# Altium PCB Mixed Signal Board Project.PcbDoc (part 3 of 3)
Units mm, origin at the board's own origin, x right, y up, seen from the top; angles counter-clockwise.
Board outline 70.23 x 70.1 mm, 4 copper layers (Top Layer, GND, VCC, Bottom Layer), stack 1.565 mm thick; 189 components, 143 nets, 740 pads, 392 vias.
Unrouted connection lines stored in the file: 6.
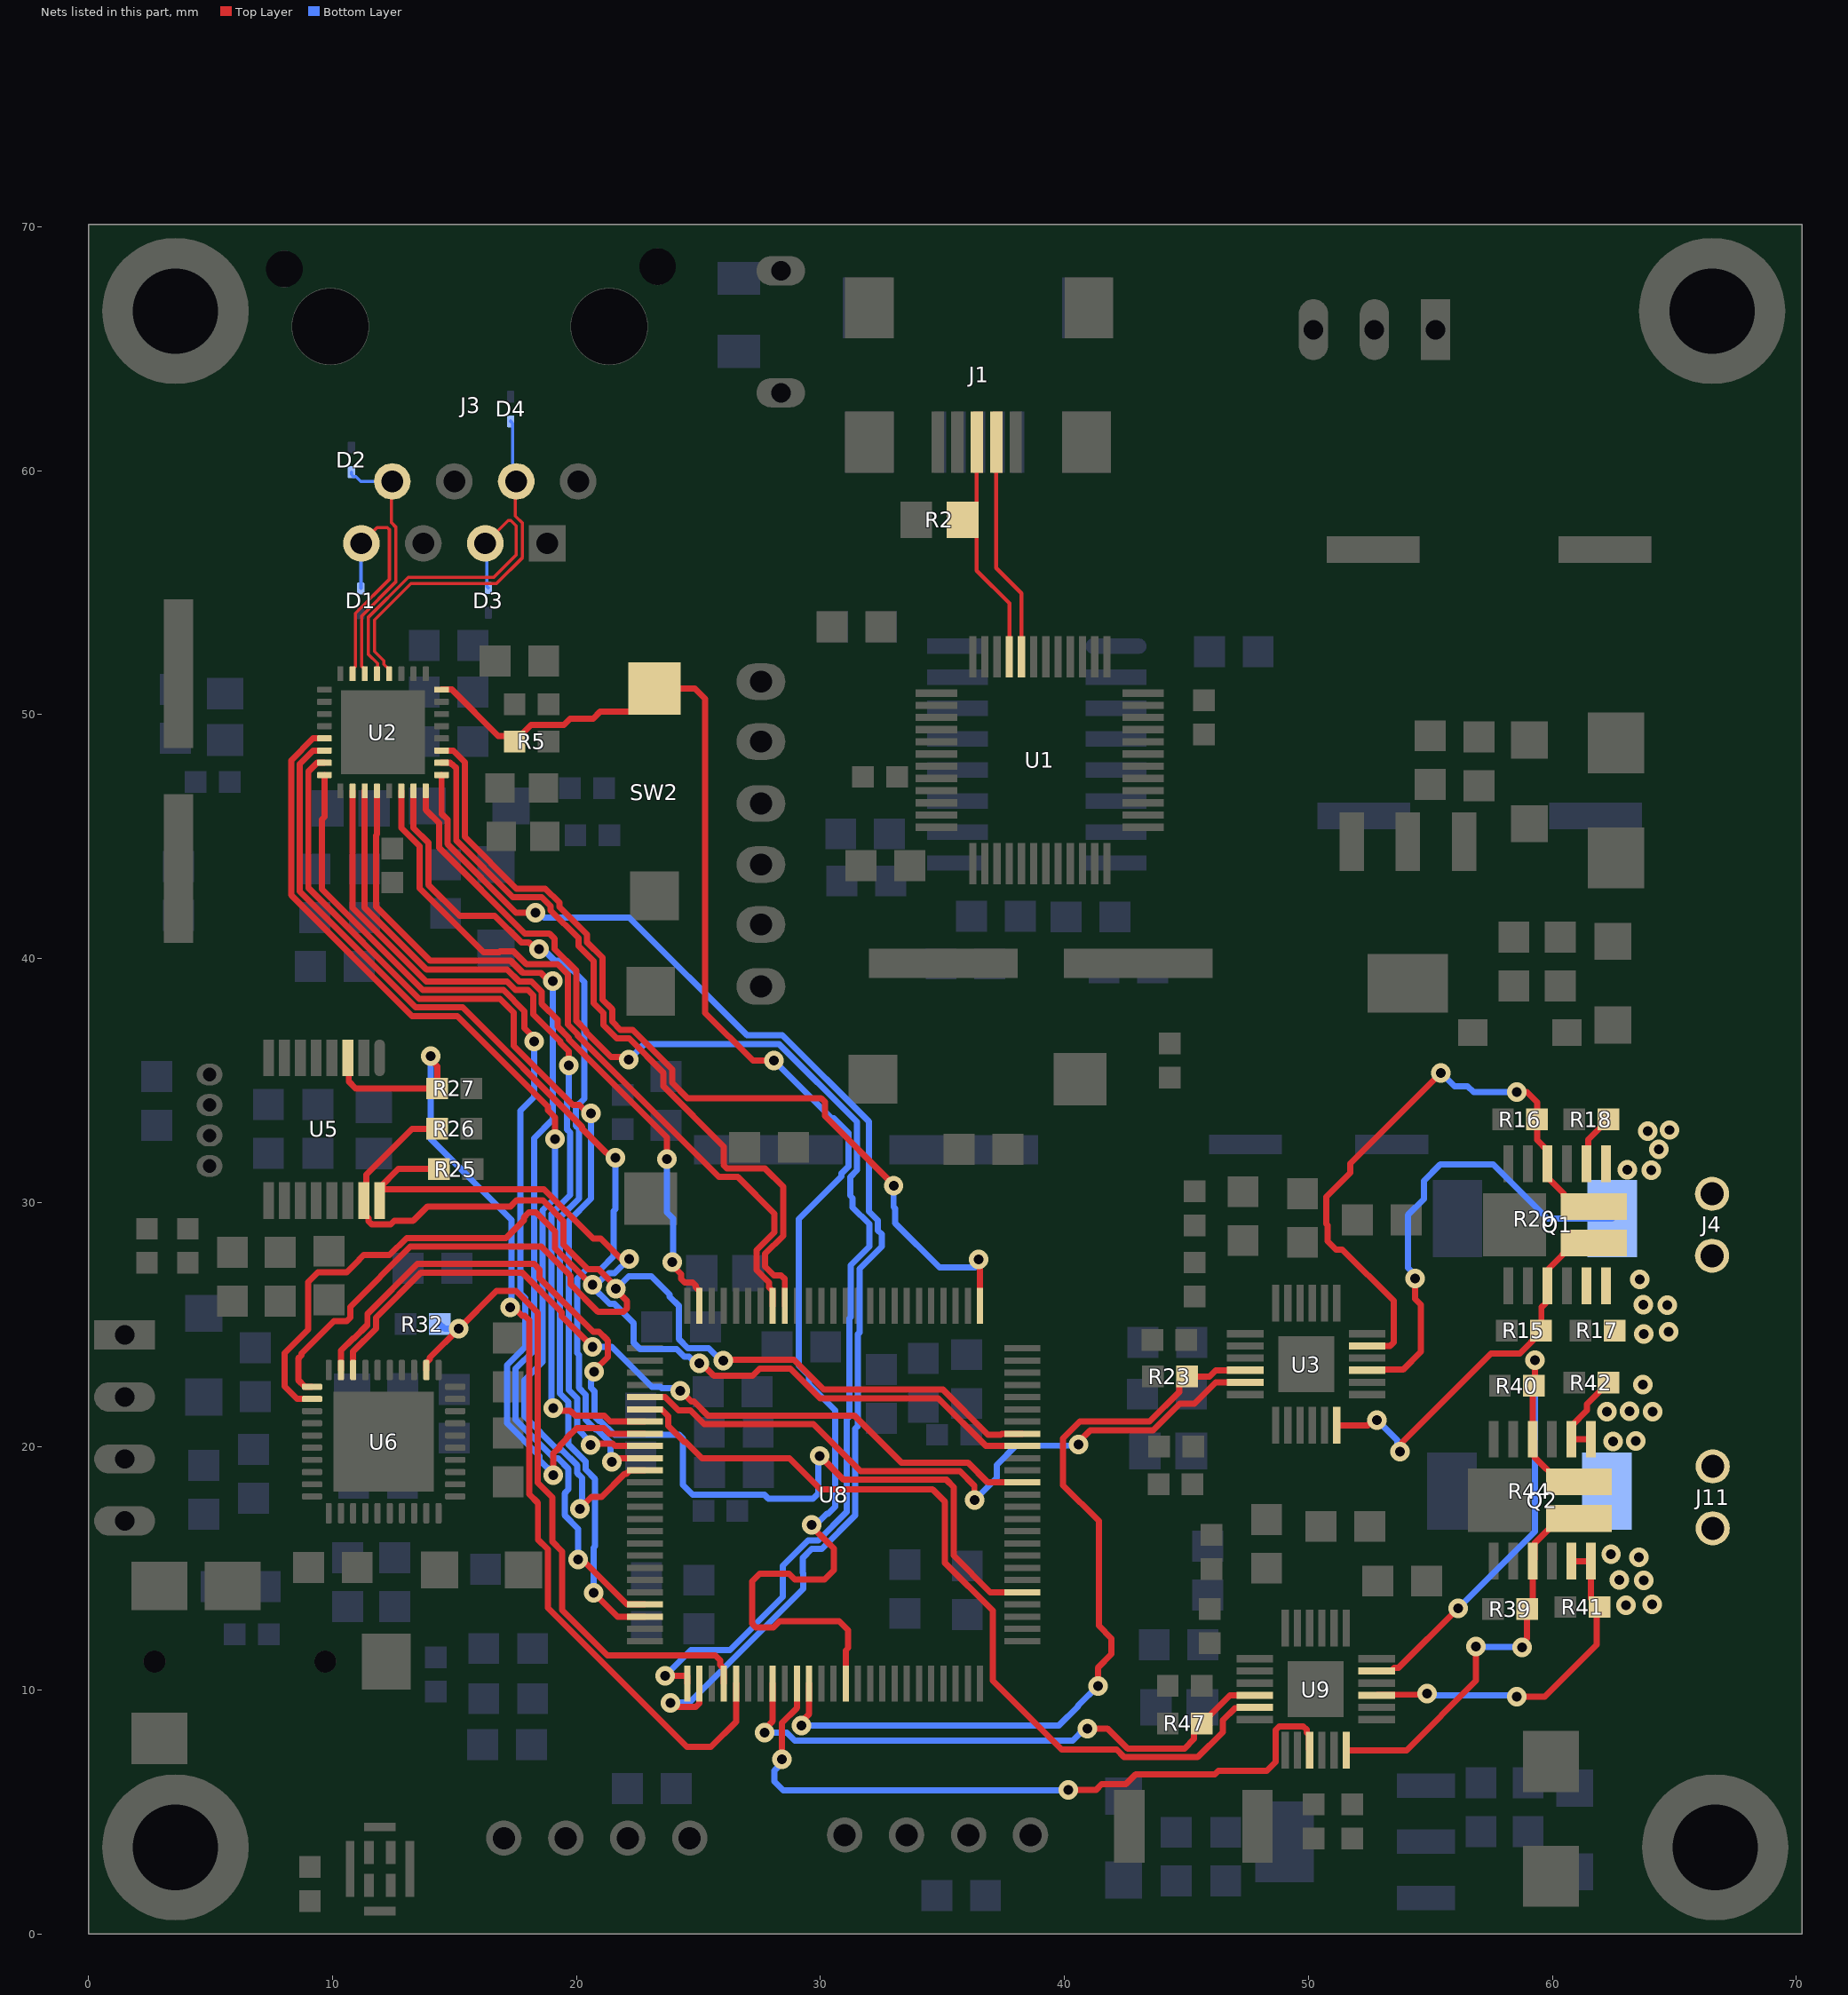
[diagram p5: the nets of this part, all layers, seen from the top]

## Via types
v1: diameter 0.8, hole 0.4, Top Layer to Bottom Layer, tented both sides, 339 vias
v2: diameter 1.27, hole 0.711, Top Layer to Bottom Layer, tented both sides, 40 vias
v3: diameter 0.45, hole 0.25, Top Layer to Bottom Layer, tented both sides, 13 vias

## Nets (pads, with @x,y where several pads share a name; then routed paths per layer and width w, separated by ;. In a path a pad name is that pad's centre, name@x,y a point inside that pad or via, vN(x,y) a via of type N, cw(c..) or ccw(c..) an arc to the next point about the centre after c; other vN are vias at no path point) (continued)
PH_2: U8.60 U9.15 | length 29.2
  Top Layer w0.254: v1(28.423,7.163) 28.423,8.659 29.035,9.271 U8.60@29.035,10.28 ; v1(40.157,5.918) 41.295,5.918 41.524,6.147 42.513,6.147 42.915,6.549 46.167,6.549 46.307,6.688 48.291,6.688 48.658,7.055 48.658,8.376 48.803,8.521 49.787,8.521 49.924,8.384 49.924,8.263 50.024,8.163 50.024,7.563 U9.15@50.047,7.54
  Bottom Layer w0.254: v1(28.423,7.163) 28.423,7.015 28.111,6.704 28.111,6.255 28.473,5.893 40.132,5.893 v1(40.157,5.918)
PHY_RESET: R5.1 SW2.2 U2.32 U8.64 | length 65.8
  Top Layer w0.254: U2.32@14.465,51.026 14.887,51.026 16.783,49.13 17.224,49.13 R5.1@17.459,48.895 18.136,49.572 19.473,49.572 19.734,49.833 20.674,49.833 20.963,50.122 22.242,50.122 SW2.2@23.19,51.07 24.85,51.07 25.273,50.648 25.273,37.77 27.229,35.814 v1(28.092,35.814) ; v1(29.642,16.772) 29.642,16.709 30.253,16.097 30.258,16.097 30.548,15.807 30.548,14.924 30.161,14.537 28.951,14.537 28.713,14.775 27.502,14.775 27.2,14.472 27.2,12.729 27.348,12.58 28.071,12.58 28.32,12.829 30.765,12.829 31.132,12.461 31.132,11.733 31.035,11.635 U8.64@31.035,10.28
  Bottom Layer w0.254: v1(28.092,35.814) 30.462,33.445 30.544,33.445 31.139,32.85 31.139,31.462 30.863,31.186 30.863,31.072 29.108,29.317 29.108,23.31 29.528,22.891 29.528,22.542 30.599,21.471 30.599,17.518 30.316,17.235 30.253,17.235 29.79,16.772 v1(29.642,16.772)
RD_N: D4.K J3.6 U2.4 | length 15.4
  Top Layer w0.132: U2.4@12.315,51.676 12.315,51.851 12.101,52.065 12.101,52.203 11.714,52.591 11.714,53.878 13.208,55.372 16.713,55.372 17.785,56.443 17.785,57.845 17.486,58.144 17.486,59.523 J3.6@17.526,59.563
  Bottom Layer w0.132: D4.K@17.297,62.027 17.382,61.943 17.382,59.707 J3.6@17.526,59.563
RD_P: D3.K J3.5 U2.5 | length 14.4
  Top Layer w0.132: U2.5@11.815,51.676 11.843,51.704 11.843,52.096 11.455,52.484 11.455,53.985 13.101,55.631 16.606,55.631 17.526,56.55 17.526,57.738 17.303,57.961 17.194,57.961 J3.5@16.256,57.023
  Bottom Layer w0.132: J3.5@16.256,57.023 16.319,56.959 16.319,55.255 D3.K@16.383,55.191
RESET: R27.1 U5.3 U8.55 | length 43
  Top Layer w0.254: U5.3@10.625,35.928 10.661,35.893 10.661,34.958 10.947,34.671 R27.1@14.288,34.671 14.288,35.577 14.021,35.844 v1(14.021,35.992) ; v1(17.276,25.697) 17.423,25.697 17.768,25.353 17.878,25.353 18.058,25.173 18.058,21.715 18.058,21.278 18.058,18.036 18.415,17.678 18.415,16.179 18.821,15.772 18.821,13.37 24.521,7.671 25.499,7.671 26.535,8.706 U8.55@26.535,10.28
  Bottom Layer w0.254: v1(14.021,35.992) 14.021,32.604 17.336,29.289 17.336,25.757 v1(17.276,25.697)
RESET_DAC: R32.1 U6.32 U8.54 | length 28.3
  Top Layer w0.254: U6.32@13.84,23.128 13.84,23.419 13.988,23.567 13.988,23.64 v1(15.164,24.816) 16.716,26.368 17.52,26.368 18.412,25.476 18.412,21.569 18.412,21.424 ; 18.412,21.424 18.412,18.5 18.999,17.913 18.999,16.095 19.414,15.681 19.414,13.278 21.262,11.43 25.679,11.43 25.889,11.221 25.889,11.036 26.035,10.89 U8.54@26.035,10.28
  Bottom Layer w0.254: R32.1@14.389,25.019 14.592,24.816 v1(15.164,24.816)
RX_CLK: U2.19 U8.24 | length 29.2
  Top Layer w0.254: U2.19@11.315,46.876 11.315,42.083 13.848,39.551 17.157,39.551 17.649,39.058 18.153,39.058 18.572,38.64 18.572,38.139 19.221,37.49 19.221,37.21 19.687,36.745 19.687,36.685 23.704,32.668 v1(23.704,31.781) ; v1(23.927,27.559) 23.927,27.411 24.282,27.056 24.282,26.869 24.431,26.72 24.756,26.72 24.889,26.587 24.889,26.512 25.035,26.366 U8.24@25.035,25.756
  Bottom Layer w0.254: v1(23.704,31.781) 23.704,29.592 23.952,29.344 23.952,27.584 v1(23.927,27.559)
RX_D0: U2.16 U8.33 | length 40.9
  Top Layer w0.254: U2.16@9.665,47.526 9.665,45.807 9.558,45.7 9.558,42.839 13.693,38.704 17.002,38.704 17.864,37.842 17.864,37.148 18.263,36.749 v1(18.263,36.601) ; v1(19.039,18.82) 19.05,18.831 19.05,19.709 19.294,19.954 19.294,20.009 19.593,20.308 19.593,20.338 20.007,20.752 21.114,20.752 21.348,20.518 U8.33@22.797,20.518
  Bottom Layer w0.254: v1(18.263,36.601) 18.263,34.328 17.69,33.755 17.69,26.287 17.903,26.074 17.903,24.08 17.148,23.325 17.148,20.941 18.482,19.607 18.482,19.437 19.039,18.88 v1(19.039,18.82)
RX_D1: U2.15 U8.34 | length 38.4
  Top Layer w0.254: U2.15@9.665,48.026 9.367,48.026 9.004,47.663 9.004,42.892 13.546,38.35 16.855,38.35 17.423,37.782 17.423,36.411 19.84,33.994 20.11,33.994 20.449,33.655 v1(20.596,33.655) ; v1(20.571,20.063) 20.625,20.117 21.482,20.117 21.581,20.018 U8.34@22.797,20.018
  Bottom Layer w0.254: v1(20.571,20.063) 20.571,20.171 20.02,20.722 20.02,21.971 19.673,22.318 19.673,29.237 20.596,30.16 v1(20.596,33.655)
RX_D2: U2.14 U8.35 | length 39.5
  Top Layer w0.254: U2.14@9.665,48.526 9.194,48.526 8.65,47.982 8.65,42.745 13.399,37.996 15.326,37.996 20.227,33.096 20.227,33.022 21.208,32.041 21.228,32.041 21.442,31.826 v1(21.59,31.826) ; v1(21.453,19.355) 21.601,19.355 21.763,19.518 U8.35@22.797,19.518
  Bottom Layer w0.254: v1(21.453,19.355) 21.384,19.424 21.384,20.136 20.83,20.69 20.77,20.69 20.374,21.086 20.374,22.117 20.096,22.395 20.096,23.747 20.027,23.816 20.027,26.884 20.41,27.267 20.989,27.267 21.522,27.8 21.522,29.653 21.59,29.721 v1(21.59,31.826)
RX_D3: U2.13 U8.36 | length 43
  Top Layer w0.254: U2.13@9.665,49.026 9.194,49.026 8.296,48.129 8.296,42.599 13.253,37.642 15.106,37.642 18.82,33.929 18.82,33.781 19.114,33.487 v1(19.114,32.602) ; v1(20.135,17.431) 20.135,17.463 20.604,17.932 21.026,17.932 21.965,18.872 22.037,18.872 22.04,18.872 22.186,19.018 U8.36@22.797,19.018
  Bottom Layer w0.254: v1(19.114,32.602) 19.114,30.18 18.611,29.677 18.611,23.461 17.856,22.706 17.856,21.234 19.229,19.861 19.385,19.861 20.02,19.226 20.02,18.9 20.218,18.702 20.218,17.515 v1(20.135,17.431)
RX_DV: U2.18 U8.32 | length 35.6
  Top Layer w0.254: U2.18@10.815,46.876 10.815,42.083 13.839,39.058 17.149,39.058 17.503,38.704 18.007,38.704 18.218,38.493 18.218,37.713 19.333,36.598 19.333,36.538 19.674,36.197 19.674,35.621 v1(19.685,35.611) ; v1(19.039,21.564) 19.143,21.46 19.742,21.46 19.947,21.256 21.136,21.256 21.374,21.018 U8.32@22.797,21.018
  Bottom Layer w0.254: v1(19.039,21.564) 18.965,21.638 18.965,29.53 19.741,30.307 19.741,32.862 19.615,32.988 19.615,34.174 19.685,34.244 v1(19.685,35.611)
RX_ER: U2.20 U8.47 | length 42.4
  Top Layer w0.254: U2.20@11.815,46.876 11.815,45.092 11.775,45.052 11.775,42.124 13.994,39.905 17.304,39.905 17.796,39.412 18.538,39.412 18.869,39.082 v1(19.016,39.082) ; v1(20.066,15.367) 20.17,15.263 20.321,15.263 22.066,13.518 U8.47@22.797,13.518
  Bottom Layer w0.254: v1(19.016,39.082) 19.016,33.39 18.257,32.631 18.257,23.933 17.502,23.179 17.502,21.087 19.082,19.507 19.238,19.507 19.666,19.08 19.666,18.235 19.508,18.077 19.508,17.172 20.066,16.614 v1(20.066,15.367)
SCL: R25.1 U5.16 U6.2 U8.92 | length 58.4
  Top Layer w0.254: U6.2@9.155,21.943 8.537,21.943 8.026,22.454 8.026,23.825 8.993,24.792 8.993,26.729 9.402,27.138 10.584,27.138 11.094,27.648 11.094,27.658 11.274,27.838 12.333,27.838 13.036,28.542 17.104,28.542 17.836,29.273 17.836,29.382 18.043,29.589 18.336,29.589 19.112,28.813 19.112,28.124 20.612,26.624 v1(20.654,26.624) ; U5.16@11.925,30.078 U5.16@11.925,30.407 ; R25.1@14.351,31.369 12.691,31.369 11.925,30.603 U5.16@11.925,30.407 ; v1(22.149,27.686) 22.126,27.663 21.847,27.663 20.989,28.521 20.679,28.521 18.66,30.54 12.023,30.54 11.925,30.442 U5.16@11.925,30.407 ; v1(25.029,23.403) 25.114,23.403 25.624,22.893 27.217,22.893 27.514,23.19 28.76,23.19 29.978,21.973 34.824,21.973 36.779,20.018 U8.92@38.273,20.018
  Bottom Layer w0.254: v1(22.149,27.686) 21.56,27.097 21.319,27.097 21.135,26.913 21.09,26.913 20.801,26.624 v1(20.654,26.624) 20.654,26.54 21.35,25.843 21.547,25.843 22.345,25.044 22.345,24.238 22.6,23.983 24.099,23.983 24.407,23.676 24.608,23.676 24.881,23.403 v1(25.029,23.403)
SCLK: U6.38 U8.89 | length 33.5
  Top Layer w0.254: U6.38@10.84,23.128 10.842,23.13 10.842,23.895 11.779,24.831 11.779,25.282 13.622,27.126 17.764,27.126 19.392,25.497 19.392,25.337 v1(20.654,24.076) ; v1(24.252,22.283) 24.702,21.833 24.81,21.833 25.378,21.265 31.387,21.265 33.317,19.335 36.037,19.335 36.854,18.518 U8.89@38.273,18.518
  Bottom Layer w0.254: v1(20.654,24.076) 21.439,24.076 23.078,22.436 23.443,22.436 23.492,22.388 24.147,22.388 v1(24.252,22.283)
SDA: R26.1 U5.15 U6.1 U8.93 | length 58.5
  Top Layer w0.254: U6.1@9.155,22.443 8.864,22.443 8.586,22.721 8.586,23.596 8.72,23.729 8.72,23.808 10.051,25.138 10.584,25.138 10.717,25.271 10.717,25.722 13.183,28.188 18.548,28.188 19.749,26.987 19.749,26.642 20.873,25.518 21.924,25.518 22.073,25.667 22.073,25.947 v1@21.565,26.455 ; R26.1@14.288,33.02 13.259,33.02 11.373,31.134 11.373,30.176 U5.15@11.275,30.078 11.275,29.553 11.473,29.355 11.473,29.234 11.606,29.101 12.379,29.101 12.527,29.25 13.299,29.25 13.887,29.837 17.289,29.837 17.533,30.081 18.619,30.081 19.466,29.233 19.466,28.27 20.469,27.267 20.897,27.267 21.614,26.551 v1(21.614,26.47) ; v1(26.01,23.52) 26.033,23.544 28.907,23.544 30.124,22.327 35.016,22.327 36.867,20.475 37.386,20.475 37.428,20.518 U8.93@38.273,20.518
  Bottom Layer w0.254: v1(21.614,26.47) 21.639,26.47 22.144,26.975 23.063,26.975 23.817,26.221 23.817,26.137 24.185,25.768 24.185,24.398 24.553,24.03 25.415,24.03 25.924,23.52 v1(26.01,23.52)
SDIN: U6.39 U8.80 | length 44
  Top Layer w0.254: U6.39@10.34,23.128 10.34,23.929 10.842,24.43 10.877,24.43 11.425,24.978 11.425,25.429 13.476,27.48 18.255,27.48 18.483,27.251 18.483,26.906 20.687,24.703 20.913,24.703 21.235,24.381 21.281,24.336 21.281,23.664 20.723,23.106 v1(20.723,23.061) ; v1(29.972,19.609) 30.954,18.627 35.162,18.627 35.458,18.33 35.458,15.519 36.96,14.018 U8.80@38.273,14.018
  Bottom Layer w0.254: v1(20.723,23.061) 20.618,22.956 20.618,22.706 20.586,22.673 20.586,22.406 20.728,22.264 20.728,21.233 20.917,21.044 20.977,21.044 21.548,20.472 24.21,20.472 24.359,20.324 24.359,18.424 24.763,18.02 27.698,18.02 27.862,17.856 29.696,17.856 29.91,18.07 29.91,19.547 v1(29.972,19.609)
SH1: J4.1 Q1.3 Q1.13 R15.1 U3.18 | length 16.4
  Top Layer w0.254: U3.18@51.161,20.864 52.441,20.864 52.659,21.082 v1(52.807,21.082) ; v1(53.746,19.787) 53.851,19.891 53.851,20.17 57.48,23.8 58.661,23.8 59.55,24.689 59.55,25.694 59.725,25.869 59.725,26.51 Q1.3@59.798,26.583 ; Q1.3@59.871,26.583 59.871,27.306 60.898,28.333 Q1.13@61.698,28.333
  Bottom Layer w0.254: v1(52.807,21.082) 53.642,20.247 53.642,19.891 v1(53.746,19.787)
SH1_2: J11.1 Q2.3 Q2.13 R39.1 U9.18 | length 16.5
  Top Layer w0.254: U9.18@51.547,7.54 54.02,7.54 56.871,10.391 v1(56.871,11.786) ; v1(58.75,11.76) 58.75,11.908 58.966,12.124 R39.1@58.966,13.335 59.187,13.556 Q2.3@59.187,15.292 59.26,15.365 59.26,16.015 60.287,17.042 Q2.13@61.087,17.042
  Bottom Layer w0.254: v1(56.871,11.786) 56.883,11.773 58.737,11.773 v1(58.75,11.76)
SH2: J4.2 Q1.10 Q1.14 R16.1 U3.23 | length 25.6
  Top Layer w0.254: U3.23@52.411,24.118 53.344,24.118 53.492,24.267 53.492,25.966 51.388,28.07 51.134,28.07 50.794,28.41 50.794,29.064 50.739,29.119 50.739,30.234 51.711,31.206 51.711,31.592 v1(55.424,35.305) ; v1(58.547,34.519) 58.953,34.519 59.372,34.1 R16.1@59.372,33.401 59.372,32.559 59.798,32.133 Q1.10@59.798,31.583 59.798,31.033 60.475,30.356 60.475,30.256 60.898,29.833 Q1.14@61.698,29.833
  Bottom Layer w0.254: v1(55.424,35.305) 55.449,35.305 55.989,34.765 56.52,34.765 56.767,34.519 v1(58.547,34.519)
SH2_2: J11.2 Q2.10 Q2.14 R40.1 U9.23 | length 22.2
  Top Layer w0.254: U9.23@52.797,10.794 53.397,10.794 53.52,10.917 53.69,10.917 v1(56.134,13.36) ; v1(59.284,23.535) 59.284,22.517 59.187,22.421 Q2.10@59.187,20.292 59.26,20.219 59.26,19.569 60.287,18.542 Q2.14@61.087,18.542
  Bottom Layer w0.254: v1(56.134,13.36) 59.284,16.51 v1(59.284,23.535)
SNSOUT: R23.1 U3.10 U8.61 | length 34.7
  Top Layer w0.254: v1(29.21,8.56) 29.21,8.708 29.535,9.032 U8.61@29.535,10.28 ; v1(41.368,10.177) 41.368,10.916 41.927,11.475 41.927,12.127 41.408,12.646 41.408,16.936 39.945,18.399 39.945,19.003 39.945,19.81 39.945,20.33 40.631,21.015 43.49,21.015 44.704,22.229 44.704,22.543 R23.1@45.021,22.86 45.946,22.86 46.204,23.118 U3.10@47.411,23.118
  Bottom Layer w0.254: v1(29.21,8.56) 39.774,8.56 40.556,9.341 40.556,9.365 v1(41.368,10.177)
SNSOUT_2: R47.1 U8.58 U9.10 | length 24
  Top Layer w0.254: v1(27.711,8.255) 27.711,8.403 28.035,8.726 U8.58@28.035,10.28 ; v1(40.945,8.433) 41.765,8.433 42.587,7.611 44.919,7.611 45.314,8.005 45.314,8.319 46.778,9.783 U9.10@47.792,9.783
  Bottom Layer w0.254: v1(27.711,8.255) 27.72,8.264 28.619,8.264 28.95,7.933 40.34,7.933 40.84,8.433 v1(40.945,8.433)
SO: U3.11 U8.30 | length 29.1
  Top Layer w0.254: U8.30@22.797,22.018 23.631,22.018 24.17,21.479 24.663,21.479 25.232,20.911 29.716,20.911 31.645,18.981 35.713,18.981 36.307,18.387 36.307,17.82 v1(36.322,17.805) ; v1(40.572,20.07) 40.572,20.176 41.057,20.661 43.637,20.661 44.718,21.742 45.329,21.742 46.205,22.618 U3.11@47.411,22.618
  Bottom Layer w0.254: v1(36.322,17.805) 37.219,18.702 37.219,19.235 38.011,20.027 40.53,20.027 v1(40.572,20.07)
SO_2: U8.31 U9.11 | length 35.4
  Top Layer w0.254: U8.31@22.797,21.518 23.482,21.518 23.761,21.239 23.761,20.832 24.408,20.185 24.466,20.185 25.144,19.507 28.727,19.507 29.997,18.237 34.595,18.237 35.104,17.728 35.104,15.219 37.059,13.265 37.059,10.391 39.888,7.561 42.136,7.561 42.441,7.257 45.462,7.257 46.49,8.285 46.49,8.767 46.994,9.271 47.774,9.271 U9.11@47.797,9.294
SP: Q1.5 Q1.6 Q1.7 Q1.8 R17.1 R18.1 R20.2 U3.21 | length 21.1
  Top Layer w0.254: U3.21@52.411,23.118 52.434,23.141 53.875,23.141 54.61,23.876 54.61,25.806 54.378,26.038 v1(54.378,26.874) ; Q1.8@61.398,31.583 61.471,31.656 61.471,32.579 R18.1@62.293,33.401
  Bottom Layer w0.254: v1(54.378,26.874) 54.378,27.022 54.077,27.323 54.077,29.492 54.729,30.144 54.729,30.882 55.402,31.555 57.574,31.555 59.792,29.337 R20.2@62.459,29.337
  other v1: 63.754,24.613 64.77,24.689 64.719,25.781 63.729,25.806 63.576,26.848 64.059,31.318 63.068,31.344 64.364,32.182 63.906,32.918 64.795,32.969
SP_2: Q2.5 Q2.6 Q2.7 Q2.8 R41.1 R42.1 R44.2 U9.21 | length 18.1
  Top Layer w0.254: U9.21@52.797,9.794 52.82,9.817 54.826,9.817 v1(54.864,9.855) ; v1(58.547,9.728) 59.688,9.728 61.824,11.864 61.824,13.297 R41.1@61.938,13.411 61.587,13.762 Q2.6@61.587,15.292 Q2.5@60.787,15.292 ; Q2.7@61.587,20.292 Q2.8@60.787,20.292 60.787,20.842 61.418,21.473 61.418,21.731 R42.1@62.293,22.606
  Bottom Layer w0.254: v1(54.864,9.855) 54.927,9.792 58.483,9.792 v1(58.547,9.728)
  other v1: 63.017,13.487 64.084,13.513 63.754,14.503 62.738,14.529 63.551,15.443 62.408,15.57 62.484,20.193 63.424,20.218 62.23,21.412 64.11,21.412 63.17,21.438 63.703,22.53
TD_N: D2.K J3.2 U2.6 | length 10.5
  Top Layer w0.132: U2.6@11.315,51.676 11.315,51.851 11.194,51.972 11.194,54.051 12.584,55.441 12.584,57.697 12.406,57.875 12.406,59.523 J3.2@12.446,59.563
  Bottom Layer w0.132: D2.K@10.77,59.944 10.77,59.849 10.854,59.765 10.949,59.765 11.151,59.563 J3.2@12.446,59.563
TD_P: D1.K J3.1 U2.7 | length 9.9
  Top Layer w0.132: U2.7@10.815,51.676 10.815,51.851 10.936,51.972 10.936,54.158 12.325,55.548 12.325,57.59 12.248,57.667 11.82,57.667 J3.1@11.176,57.023
  Bottom Layer w0.132: D1.K@11.151,55.169 11.163,55.181 11.163,57.01 J3.1@11.176,57.023
TX_CLK: U2.22 U8.18 | length 30
  Top Layer w0.254: U2.22@12.815,46.876 12.815,45.354 13.566,44.604 13.566,42.883 16.191,40.259 16.832,40.259 16.867,40.294 17.415,40.294 17.943,39.766 19.219,39.766 19.643,39.342 19.643,37.289 20.041,36.891 20.041,36.832 25.83,31.042 26.606,31.042 28.111,29.536 28.111,28.78 27.373,28.042 27.373,27.229 27.889,26.714 27.889,26.512 28.035,26.366 U8.18@28.035,25.756
TX_D0: U2.24 U8.51 | length 55.2
  Top Layer w0.254: U2.24@13.815,46.876 13.815,46.093 14.357,45.551 14.357,44.545 17.881,41.021 18.887,41.021 19.094,40.814 19.094,40.391 19.997,39.488 19.997,37.435 20.395,37.038 20.395,36.978 21.416,35.957 22.032,35.957 v1(22.136,35.852) ; v1(23.622,10.592) 24.535,10.592 U8.51@24.535,10.28
  Bottom Layer w0.254: v1@22.254,35.97 22.766,36.482 28.311,36.482 31.493,33.3 31.493,31.316 31.217,31.04 31.217,30.277 31.318,30.175 31.318,29.792 31.996,29.114 31.996,28.186 31.242,27.432 31.242,25.298 31.183,25.24 31.183,21.228 31.072,21.116 31.072,17.315 29.902,16.145 29.489,16.145 28.454,15.109 28.454,13.823 26.281,11.651 24.681,11.651 v1(23.622,10.592)
TX_D1: U2.25 U8.52 | length 55.4
  Top Layer w0.254: U2.25@14.465,47.526 14.465,45.944 14.711,45.697 14.711,44.692 17.518,41.885 v1(18.313,41.885) ; v1(23.851,9.474) 23.998,9.474 24.157,9.315 24.886,9.315 25.035,9.464 U8.52@25.035,10.28
  Bottom Layer w0.254: v1(18.313,41.885) 18.461,41.885 18.661,41.685 22.158,41.685 26.987,36.855 28.438,36.855 31.979,33.315 31.979,29.632 32.35,29.261 32.35,28.853 32.508,28.695 32.508,28.198 31.596,27.285 31.596,24.66 31.537,24.601 31.537,20.835 31.426,20.724 31.426,17.169 30.048,15.791 29.636,15.791 29.269,15.424 29.269,14.814 29.294,14.789 29.294,14.163 24.632,9.501 23.877,9.501 v1(23.851,9.474)
TX_D2: U2.26 U8.17 | length 31
  Top Layer w0.254: U2.26@14.465,48.026 14.814,48.026 14.884,47.955 14.917,47.955 15.065,47.806 15.065,44.838 17.392,42.512 18.573,42.512 18.94,42.144 18.94,41.969 20.075,40.834 20.075,40.521 20.705,39.891 20.705,38.17 21.103,37.772 21.103,37.272 21.651,36.724 22.151,36.724 23.565,35.31 23.565,34.755 26.027,32.293 26.027,31.529 26.16,31.396 27.717,31.396 28.465,30.647 28.465,28.633 27.727,27.895 27.727,27.375 28.095,27.008 28.386,27.008 28.535,26.859 U8.17@28.535,25.756
TX_D3: U2.27 U8.1 | length 37.7
  Top Layer w0.254: U2.27@14.638,48.524 14.951,48.524 15.419,48.055 15.419,44.985 17.539,42.866 18.72,42.866 19.294,42.291 19.294,42.115 20.429,40.98 20.429,40.668 21.059,40.038 21.059,38.316 21.457,37.919 21.457,37.418 21.797,37.078 22.298,37.078 23.919,35.457 23.919,34.902 24.548,34.273 30.026,34.273 30.175,34.124 30.175,33.538 32.995,30.719 v1(32.995,30.683) ; v1(36.474,27.661) 36.535,27.6 U8.1@36.535,25.756
  Bottom Layer w0.254: v1(32.995,30.683) 32.995,29.82 33.058,29.757 33.058,29.147 34.874,27.33 36.326,27.33 36.326,27.364 36.474,27.513 v1(36.474,27.661)
TX_EN: U2.23 U8.48 | length 40.8
  Top Layer w0.254: U2.23@13.315,46.876 13.315,45.355 13.92,44.75 13.92,43.03 15.196,41.754 16.648,41.754 17.735,40.667 18.047,40.667 18.32,40.394 v1(18.467,40.394) ; v1(20.701,13.995) 21.679,13.018 U8.48@22.797,13.018
  Bottom Layer w0.254: v1(18.467,40.394) 18.615,40.394 19.088,39.921 19.433,39.921 20.312,39.043 20.312,34.257 19.969,33.915 19.969,33.134 20.095,33.008 20.095,30.16 19.319,29.383 19.319,22.171 19.666,21.824 19.666,20.081 20.374,19.373 20.374,19.047 20.762,18.659 20.762,17.381 20.76,17.379 20.76,15.9 20.701,15.841 v1(20.701,13.995)
USBD_N: J1.2 U1.32 | length 9.2
  Top Layer w0.166: J1.2@37.204,61.175 37.204,56.014 38.239,54.979 U1.32@38.239,52.371
USBD_P: J1.3 R2.1 U1.33 | length 10
  Top Layer w0.166: R2.1@35.824,57.988 35.951,57.861 36.404,57.861 J1.3@36.404,61.175 ; R2.1@36.398,57.861 36.398,55.905 37.739,54.565 U1.33@37.739,52.371
pads on no net: J1.1 J1.4 J3. J3.3 J3.4 J3.7 J3.8 J5.1 J5.4 J8. J8.4 J13. MH3.1 MH4.1 U1.2 U1.3 U1.4 U1.10 U1.11 U1.12 U1.13 U1.14 U1.15 U1.16 U1.17 U1.19 U1.21 U1.22 U1.28 U1.29 U1.30 U1.31 U1.41 U1.42 U1.43 U1.45 U1.46 U2.30 U2.31 U4.7 U4.8 U4.9 U4.10 U4.11 U4.12 U4.13 U4.15 U5.6 U5.7 U5.8 U5.9 U6.20 U6.21 U6.22 U6.23 U6.24 U6.25 U6.26 U6.29 U6.30 U6.35 U6.36 U8.2 U8.3 U8.4 U8.5 U8.7 U8.8 U8.9 U8.15 U8.38 U8.39 U8.40 U8.41 U8.42 U8.43 U8.44 U8.46 U8.67 U8.77 U8.81 U8.82 U8.83 U8.84 U8.85 U8.86 U8.87 U8.88 U8.91 U8.95 U8.96 U8.97 U8.98
copper on no net: | length 25
  Top Layer w0.254: 42.494,32.969 47.015,32.969 48.539,34.493 48.539,46.812 46.969,48.383 43.227,48.383

## Polygon pours and split planes (outlines as drawn)
EARTH on Bottom Layer "EARTH_L04_P073" (solid, pour order 73): 0,62.586 -0.051,62.636 -0.051,70.079 70.18,70.079 70.231,70.129 70.256,70.104 70.256,62.636 64.389,62.636 59.868,67.158 14.63,67.158 9.995,62.522
+3V3 on Bottom Layer "+3V3_L04_P072" (solid, pour order 72): 17.424,10.287 17.45,10.262 17.45,5.207 20.726,5.207 21.158,4.775 21.158,3.251 21.539,2.87 22.987,2.87 23.19,3.073 23.089,3.175 23.089,6.782 21.488,6.782 20.904,7.366 20.904,10.287
GND on Bottom Layer "GND_L04_P071" (solid, pour order 71): 61.722,5.359 53.238,5.359 53.238,6.604 53.315,6.68 55.296,6.68 55.296,7.722 56.134,8.56 58.522,8.56 58.522,6.96 61.722,6.96
+1V8 on Bottom Layer "+1V8_L04_P069" (solid, pour order 69): 50.471,2.946 56.159,2.946 56.159,5.105 47.803,5.105 47.803,2.946 38.811,2.946 38.583,2.718 38.583,0.635 50.471,0.635
NetC84_1 on Bottom Layer "NETC84_1_L04_P067" (solid, pour order 67): 56.388,4.775 62.052,4.775 62.128,4.851 62.23,4.75 62.23,0.94 53.619,0.94 53.569,0.889 53.543,0.914 53.543,2.007 56.261,2.007 56.388,2.134
GND on Bottom Layer "GND_L04_P065" (solid, pour order 65): 54.839,16.535 56.82,16.535 56.82,19.736 57.175,20.091 57.175,21.717 55.651,21.717 54.839,20.904 54.839,20.345
SP_2 on Bottom Layer "SP_2_L04_P061" (solid, pour order 61): 61.265,21.184 61.265,16.078 62.459,14.884 62.459,13.259 62.662,13.056 64.516,13.056 64.516,23.165 63.457,23.165
+1V8 on Bottom Layer "+1V8_L04_P058" (solid, pour order 58): 10.008,22.987 10.008,21.641 15.723,21.641 15.672,21.692 15.672,22.987
+3V3 on Bottom Layer "+3V3_L04_P057" (solid, pour order 57): 12.319,27.864 13.818,27.864 13.818,26.854 14.478,26.403 14.478,25.857 14.249,25.629 13.665,25.629 13.665,24.536 13.538,24.409 12.319,24.409
GND on Bottom Layer "GND_L04_P056" (solid, pour order 56): 12.012,21.435 12.065,21.488 15.748,21.488 15.748,18.186 15.138,17.577 12.04,17.577
GND on Bottom Layer "GND_L04_P054" (solid, pour order 54): 14.097,13.843 15.342,13.843 15.443,13.945 15.443,15.85 18.593,15.85 18.593,12.903 14.173,12.903 14.122,12.954
+3V3 on Bottom Layer "+3V3_L04_P050" (solid, pour order 50): 3.886,23.165 7.518,23.165 7.518,21.209 7.391,21.082 5.537,21.082 5.537,18.491 5.512,18.466 3.886,18.466
NetC33_2 on Bottom Layer "NETC33_2_L04_P049" (solid, pour order 49): 9.728,21.336 9.728,14.478 13.31,14.478 13.411,14.58 13.411,16.332 11.913,16.332 11.608,16.637 11.633,16.662 11.633,21.336
+3V3 on Bottom Layer "+3V3_L04_P048" (solid, pour order 48): 9.713,29.235 9.739,29.261 9.739,30.861 9.282,31.318 8.723,31.318 8.723,32.715 8.748,32.741 12.533,32.741 12.533,31.318 12.507,31.293 10.755,31.293 10.323,30.861 10.323,29.235
SP on Bottom Layer "SP_L04_P045" (solid, pour order 45): 65.227,33.426 65.202,33.401 63.602,33.401 63.602,33.096 61.417,30.912 61.417,27.381 63.576,25.222 63.576,24.105 65.202,24.105 65.227,24.079
GND on Bottom Layer "GND_L04_P039" (solid, pour order 39): 52.883,40.818 50.343,40.818 50.394,40.869 50.394,46.482 54.178,46.482 54.254,46.406 54.254,45.263 52.934,45.263 52.883,45.314
+12V on Bottom Layer "+12V_L04_P035" (solid, pour order 35): 60.655,46.736 60.655,42.824 66.904,42.824 66.904,45.72 66.904,46.736
GND on Bottom Layer "GND_L04_P032" (solid, pour order 32): 50.292,57.861 55.347,57.861 55.372,57.887 55.524,57.734 55.524,53.238 50.292,53.238 50.267,53.213
+12V on Bottom Layer "+12V_L04_P030" (solid, pour order 30): 58.826,60.985 58.826,55.931 65.075,55.931 65.075,60.985
+3V3 on Bottom Layer "+3V3_L04_P008" (solid, pour order 8): 37.363,40.945 37.465,40.843 40.716,40.843 40.716,46.304 37.389,46.304 37.389,40.945
GND on Bottom Layer "GND_L04_P028" (solid, pour order 28): 29.642,45.923 31.953,45.923 32.004,45.872 32.004,41.097 29.794,41.097 29.642,41.097
GND on Bottom Layer "GND_L04_P026" (solid, pour order 26): 45.809,63.144 45.783,63.119 39.713,63.119 39.713,59.284 45.833,59.284
GND on Bottom Layer "GND_L04_P025" (solid, pour order 25): 45.506,68.163 45.466,68.123 39.407,68.123 39.407,64.801 45.527,64.801
GND on Bottom Layer "GND_L04_P023" (solid, pour order 23): 33.147,62.56 33.122,62.535 33.122,59.538 27.991,59.538 27.965,59.563 28.042,59.639 28.042,61.951 28.651,62.56
GND on Bottom Layer "GND_L04_P017" (solid, pour order 17): 30.709,68.174 35.001,68.174 35.001,65.075 30.709,65.075
GND on Bottom Layer "GND_L04_P016" (solid, pour order 16): 29.134,56.032 31.445,56.032 31.471,56.007 31.445,55.982 31.445,52.527 29.134,52.527 29.108,52.553 29.134,52.578 29.134,56.007
+3V3 on Bottom Layer "+3V3_L04_P012" (solid, pour order 12): 36.906,52.324 36.855,52.375 31.725,52.375 31.725,54.839 32.106,55.22 36.906,55.22
+3V3 on Bottom Layer "+3V3_L04_P011" (solid, pour order 11): 36.906,52.375 36.855,52.426 31.725,52.426 31.725,54.889 32.106,55.27 36.906,55.27
+3V3 on Bottom Layer "+3V3_L04_P010" (solid, pour order 10): 36.881,52.324 36.83,52.375 31.699,52.375 31.699,54.839 32.08,55.22 36.881,55.22
GND on Bottom Layer "GND_L04_P007" (solid, pour order 7): 18.161,42.571 18.161,38.633 18.11,38.684 2.487,38.684 2.487,42.674
GND on Bottom Layer "GND_L04_P006" (solid, pour order 6): 19.253,45.593 16.383,45.593 14.783,47.193 14.783,53.365 16.205,54.788 19.025,54.788 19.253,54.559
+3V3 on Bottom Layer "+3V3_L04_P005" (solid, pour order 5): 5.69,43.688 6.325,43.053 17.628,43.053 17.628,44.831 10.566,44.831 10.541,44.806 10.49,44.856 10.49,46.965 8.915,46.965 8.865,47.015 8.814,46.965 7.264,46.965 5.69,45.39
no net on Bottom Layer "NONET_L04_P002" (solid, pour order 2): 12.573,52.324 12.7,52.324 14.732,52.324 14.732,53.721 15.215,53.721 15.215,54.991 12.979,54.991 12.573,54.585
+1V8 on Top Layer "+1V8_L01_P070" (solid, pour order 70): 42.037,5.893 43.282,5.893 43.282,1.778 42.062,0.559 38.659,0.559 38.557,0.66 38.557,2.692 41.935,2.692 42.037,2.794
NetC84_1 on Top Layer "NETC84_1_L01_P068" (solid, pour order 68): 61.062,3.607 61.036,3.581 56.236,3.581 56.236,0.787 56.21,0.762 61.087,0.762
+12V on Top Layer "+12V_L01_P066" (solid, pour order 66): 58.776,8.611 58.776,6.172 64.516,6.172 64.414,6.274 64.414,8.611
+12V on Top Layer "+12V_L01_P064" (solid, remove dead copper, pour order 64): 51.791,13.36 51.359,13.36 51.359,11.735 52.73,11.735 53.518,12.522 53.518,16.535 58.293,16.535 58.42,16.662 58.42,19.101 51.791,19.101
SP_2 on Top Layer "SP_2_L01_P063" (solid, remove dead copper, pour order 63): 60.503,16.078 60.503,14.529 60.833,14.199 61.214,14.199 61.214,13.005 61.239,12.979 64.541,12.979 64.541,15.062 63.525,16.078
SP_2 on Top Layer "SP_2_L01_P062" (solid, remove dead copper, pour order 62): 60.579,19.634 60.579,20.713 62.279,23.216 64.516,23.216 64.516,20.472 63.678,19.634 62.611,19.634
SH1_2 on Top Layer "SH1_2_L01_P060" (solid, remove dead copper, pour order 60): 59.639,17.704 59.639,16.358 63.652,16.358 65.303,14.707 67.869,14.707 67.869,17.704
SH2_2 on Top Layer "SH2_2_L01_P059" (solid, remove dead copper, pour order 59): 59.69,18.034 59.792,18.136 67.869,18.136 67.869,20.853 67.818,20.904 65.303,20.904 63.627,19.228 59.711,19.228
GND on Top Layer "GND_L01_P055" (solid, pour order 55): 14.097,13.843 15.342,13.843 15.443,13.945 15.443,15.85 18.593,15.85 18.593,12.903 14.173,12.903 14.122,12.954
+3V3 on Top Layer "+3V3_L01_P047" (solid, pour order 47): 9.677,29.235 9.703,29.261 9.703,30.861 9.246,31.318 8.687,31.318 8.687,32.715 8.712,32.741 12.497,32.741 12.497,31.318 12.471,31.293 10.719,31.293 10.287,30.861 10.287,29.235
GND on Top Layer "GND_L01_P046" (solid, remove dead copper, pour order 46): 8.712,34.747 8.712,32.868 8.738,32.842 10.693,32.842 10.693,34.595 10.541,34.747
+3V3 on Top Layer "+3V3_L01_P037" (solid, remove dead copper, pour order 37): 54.559,45.949 54.585,45.923 54.585,40.132 56.388,40.132 56.464,40.056 56.464,39.649 61.341,39.649 61.468,39.522 61.468,38.456 63.652,38.456 63.754,38.354 63.754,33.909 59.508,33.909 59.508,38.049 52.629,38.049 52.451,38.227 52.451,40.259 52.502,40.259 53.518,41.275 53.518,45.949
SP on Top Layer "SP_L01_P044" (solid, pour order 44): 61.087,25.705 61.112,25.73 61.112,27.381 63.779,27.381 63.856,27.457 65.253,26.06 65.253,24.257 65.227,24.232 62.052,24.232 62.052,25.705
SP on Top Layer "SP_L01_P043" (solid, remove dead copper, pour order 43): 61.138,30.861 61.138,32.487 62.967,32.487 63.906,33.426 65.227,33.426 65.227,31.775 64.313,30.861
+12V on Top Layer "+12V_L01_P042" (solid, pour order 42): 59.207,32.334 58.776,32.334 58.776,30.632 57.023,30.632 57.023,30.429 54.864,28.27 54.864,25.425 57.15,25.425 57.15,27.737 58.699,27.737 58.75,27.686 58.75,25.781 59.207,25.781
SH1 on Top Layer "SH1_L01_P041" (solid, pour order 41): 60.325,28.829 60.325,27.813 60.35,27.788 64.135,27.788 65.43,26.492 67.92,26.492 67.92,28.804 67.894,28.829
SH2 on Top Layer "SH2_L01_P040" (solid, pour order 40): 60.3,29.286 60.3,30.429 64.135,30.429 65.38,31.674 67.894,31.674 67.894,29.286
+12V on Top Layer "+12V_L01_P036" (solid, pour order 36): 60.706,46.736 60.706,42.824 66.904,42.824 66.904,45.72 66.904,46.736
NetC78_1 on Top Layer "NETC78_1_L01_P034" (solid, pour order 34): 63.932,50.394 51.181,50.394 51.181,43.637 51.206,43.612 52.527,43.612 52.527,48.412 60.731,48.412 60.731,47.295 63.957,47.295
GND on Top Layer "GND_L01_P033" (solid, pour order 33): 50.292,57.861 55.347,57.861 55.372,57.887 55.524,57.734 55.524,53.238 50.292,53.238 50.267,53.213
+12V on Top Layer "+12V_L01_P031" (solid, pour order 31): 58.826,60.985 58.826,55.931 65.075,55.931 65.075,60.985
GND on Top Layer "GND_L01_P029" (solid, remove dead copper, pour order 29): 30.988,44.958 32.614,44.958 32.614,41.046 29.211,41.046
GND on Top Layer "GND_L01_P027" (solid, pour order 27): 39.75,63.094 39.775,63.068 45.846,63.068 45.846,59.233 39.726,59.233
GND on Top Layer "GND_L01_P024" (solid, pour order 24): 39.192,68.656 39.218,68.631 45.517,68.631 45.517,64.795 39.168,64.795
GND on Top Layer "GND_L01_P021" (solid, pour order 21): 33.172,62.586 33.172,59.563 33.122,59.512 27.991,59.512 27.991,61.9 28.677,62.586
GND on Top Layer "GND_L01_P020" (solid, pour order 20): 30.709,68.174 35.154,68.174 35.154,64.897 30.709,64.897
GND on Top Layer "GND_L01_P015" (solid, pour order 15): 31.445,52.553 29.108,52.553 29.108,56.032 29.312,56.032 31.471,56.032
no net on Top Layer "NONET_L01_P014" (solid, pour order 14): 31.445,52.527 29.108,52.527 29.108,56.007 29.312,56.007 31.471,56.007
+3V3 on Top Layer "+3V3_L01_P013" (solid, pour order 13): 31.725,52.527 35.687,52.527 35.916,52.299 35.916,51.46 35.89,51.435 36.5,51.435 36.5,54.61 35.789,55.321 32.029,55.321 31.699,54.991
+3V3 on Top Layer "+3V3_L01_P009" (solid, remove dead copper, pour order 9): 39.929,42.85 40.538,42.85 40.538,47.32 37.414,47.32 37.313,47.219 37.313,45.339 39.599,45.339 39.929,45.009 39.929,42.824
NetC11_1 on Top Layer "NETC11_1_L01_P004" (solid, pour order 4): 12.573,51.308 13.005,51.308 13.005,52.095 13.106,52.197 14.757,52.197 14.757,53.772 15.138,53.772 15.138,54.966 13.132,54.966 12.548,54.381 12.548,51.359
+1V8 on VCC (split plane): 17.461,12.359 15.113,12.359 15.063,12.352 15.017,12.333 14.977,12.302 14.947,12.263 14.927,12.216 14.921,12.167 14.921,8.817 12.951,6.847 8.23,6.847 8.18,6.84 8.134,6.821 8.094,6.791 8.063,6.751 8.044,6.705 8.037,6.655 8.037,3.937 8.044,3.887 8.055,3.86 8.063,3.841 8.094,3.801 9.288,2.607 9.327,2.577 9.374,2.558 9.423,2.551 28.27,2.551 28.32,2.558 28.347,2.569 28.365,2.576 45.263,2.576 45.313,2.583 45.34,2.594 45.359,2.602 45.399,2.633 47.28,4.515 47.28,0.51 0.51,0.51 0.51,8.596 11.887,8.596 11.937,8.603 11.964,8.614 11.983,8.622 12.023,8.653 12.988,9.618 13.019,9.658 13.038,9.704 13.045,9.754 13.045,14.678 14.309,15.942 14.34,15.982 14.359,16.028 14.365,16.078 14.365,21.336 14.359,21.386 14.34,21.432 14.309,21.472 14.269,21.502 14.223,21.522 14.173,21.528 10.759,21.528 10.759,24.05 11.027,24.319 17.461,24.319
EARTH on VCC (split plane): 69.721,63.26 61.446,63.26 57.184,67.522 57.144,67.553 57.125,67.561 57.098,67.572 57.048,67.578 49.606,67.578 49.556,67.572 49.51,67.553 49.47,67.522 48.13,66.181 47.36,66.181 47.337,66.209 47.279,66.257 47.213,66.292 47.141,66.314 47.066,66.321 46.992,66.314 46.92,66.292 46.854,66.257 46.795,66.209 46.773,66.181 38.332,66.181 38.21,66.303 38.171,66.333 38.151,66.341 38.124,66.353 38.075,66.359 14.986,66.359 14.936,66.353 14.909,66.341 14.89,66.333 14.85,66.303 11.147,62.6 0.51,62.6 0.51,69.594 69.721,69.594
+12V on VCC (split plane): 61.231,62.932 61.27,62.902 61.317,62.883 61.366,62.876 69.721,62.876 69.721,0.51 55.632,0.51 50.472,5.67 50.472,32.277 51.238,33.044 64.795,33.044 64.87,33.051 64.942,33.073 65.008,33.108 65.066,33.156 65.114,33.214 65.149,33.28 65.171,33.352 65.178,33.426 65.178,41.554 65.171,41.629 65.149,41.701 65.114,41.767 65.066,41.825 64.126,42.765 64.068,42.813 64.002,42.848 63.93,42.87 63.856,42.877 58.904,42.877 58.904,49.68 58.979,55.4 58.98,55.401 59.015,55.467 59.037,55.539 59.044,55.613 59.037,55.688 59.015,55.76 58.98,55.826 58.932,55.884 56.71,58.107 56.651,58.154 56.619,58.171 54.83,59.961 54.772,60.008 54.706,60.044 54.634,60.065 54.559,60.073 49.663,60.073 47.449,62.287 47.449,65.797 48.209,65.797 48.259,65.804 48.286,65.815 48.305,65.823 48.345,65.853 49.686,67.194 56.969,67.194
+3V3 on VCC (split plane): 218 vertices, not listed, extent 0.51,0.51 64.413,65.975
GND on GND (split plane): 69.721,0.51 0.51,0.51 0.51,6.463 13.03,6.463 13.08,6.469 13.107,6.48 13.126,6.488 13.166,6.519 15.249,8.602 15.279,8.642 15.299,8.688 15.305,8.738 15.305,11.974 17.653,11.974 17.703,11.981 17.749,12 17.789,12.031 17.819,12.071 17.839,12.117 17.845,12.167 17.845,26.695 17.839,26.745 17.819,26.791 17.789,26.831 17.749,26.862 17.703,26.881 17.653,26.888 12.014,26.888 11.964,26.881 11.918,26.862 11.878,26.831 11.848,26.791 11.829,26.745 11.822,26.695 11.829,26.646 11.848,26.599 11.878,26.56 11.918,26.529 11.964,26.51 12.014,26.503 17.461,26.503 17.461,12.359 15.113,12.359 15.063,12.352 15.017,12.333 14.977,12.302 14.947,12.263 14.927,12.216 14.921,12.167 14.921,8.817 12.951,6.847 0.51,6.847 0.51,28.002 8.941,28.002 8.991,28.008 9.037,28.028 9.077,28.058 9.107,28.098 9.126,28.144 9.133,28.194 9.126,28.244 9.107,28.29 9.077,28.33 9.037,28.36 8.991,28.38 8.941,28.386 0.51,28.386 0.51,38.162 16.684,38.162 17.461,37.385 17.461,29.159 17.467,29.109 17.479,29.082 17.486,29.064 17.486,28.705 17.192,28.412 10.617,28.412 10.567,28.405 10.521,28.386 10.481,28.355 10.451,28.315 10.432,28.269 10.425,28.219 10.432,28.17 10.451,28.123 10.481,28.084 10.521,28.053 10.567,28.034 10.617,28.027 17.272,28.027 17.322,28.034 17.349,28.045 17.368,28.053 17.408,28.084 17.814,28.49 17.845,28.53 17.864,28.576 17.865,28.582 17.871,28.626 17.871,29.134 17.865,29.178 17.864,29.184 17.845,29.229 17.845,37.465 17.839,37.515 17.819,37.561 17.789,37.601 16.9,38.49 16.86,38.52 16.841,38.528 16.814,38.54 16.764,38.546 0.51,38.546 0.51,69.594 69.721,69.594

## Keep-outs
Keep-Out Layer:
  lines w0.127: 0,60 0,0 ; 60,0 0,0 ; 0,0 0,70.104 70.231,70.104 70.231,0 0,0

## Other copper
GND (plane layer: these items are gaps in the copper):
  lines w0.381: -0.025,6.655 13.03,6.655 15.113,8.738 15.113,12.167 17.653,12.167 17.653,26.695 12.014,26.695 ; 0,38.354 16.764,38.354 17.653,37.465 17.653,29.159 17.678,29.134 17.678,28.626 17.272,28.219 10.617,28.219 ; 0.025,28.194 8.941,28.194
VCC (plane layer: these items are gaps in the copper):
  lines w0.381: 0.025,28.245 8.839,28.245 ; 0.025,38.379 16.764,38.379 17.653,37.49 17.653,28.677 17.196,28.219 10.643,28.219 ; 0.127,62.408 11.227,62.408 14.986,66.167 38.075,66.167 38.252,65.989 48.209,65.989 49.606,67.386 57.048,67.386 61.366,63.068 70.155,63.068 ; 0.152,8.788 11.887,8.788 12.852,9.754 12.852,14.757 14.173,16.078 14.173,21.336 10.566,21.336 10.566,24.13 10.947,24.511 17.602,24.511 ; 10.77,26.695 17.653,26.695 17.653,12.167 15.113,12.167 15.113,8.738 13.03,6.655 8.23,6.655 8.23,3.937 9.423,2.743 28.27,2.743 28.296,2.769 45.263,2.769 47.473,4.978 47.473,0.025
  lines w0.762: 47.066,65.938 47.066,62.128 49.505,59.69 54.559,59.69 56.413,57.836 56.439,57.836 58.661,55.613 58.598,55.55 58.522,49.682 58.522,42.494 63.856,42.494 64.795,41.554 64.795,33.426 55.042,33.426 51.079,33.426 50.089,32.436 50.089,5.512 55.474,0.127 47.219,0.127

## Text inside footprints (layer, text, board x,y; h text height)
D5: Top Overlay "K" at 60.611,49.857 h0.89 r90; Top Overlay "A" at 60.486,42.732 h0.89 r90
D6: Top Overlay "A" at 56.286,37.88 h0.89; Top Overlay "K" at 60.599,37.813 h0.89
D7: Top Overlay "A" at 62.069,8.474 h0.89 r270; Top Overlay "K" at 61.944,1.349 h0.89 r270
DS1: Top Overlay "A" at 15.646,45.263 h0.51 r180; Top Overlay "K" at 20.599,45.263 h0.56 r180
DS2: Top Overlay "K" at 20.48,47.24 h0.56 r180; Top Overlay "A" at 15.767,47.165 h0.51 r180
U4: Bottom Overlay "1" at 42.951,53.315 h0.89; Bottom Overlay "8" at 42.878,42.355 h0.89; Bottom Overlay "9" at 34.984,42.478 h0.89; Bottom Overlay "16" at 35.712,53.442 h0.89
U5: Top Overlay "8" at 7.087,37.389 h0.64 r270; Top Overlay "9" at 6.325,29.616 h0.64 r270; Top Overlay "16" at 11.684,29.083 h0.64 r270; Top Overlay "1" at 11.663,37.172 h0.64 r270